# KiCad board hermod-right.kicad_pcb (continued)
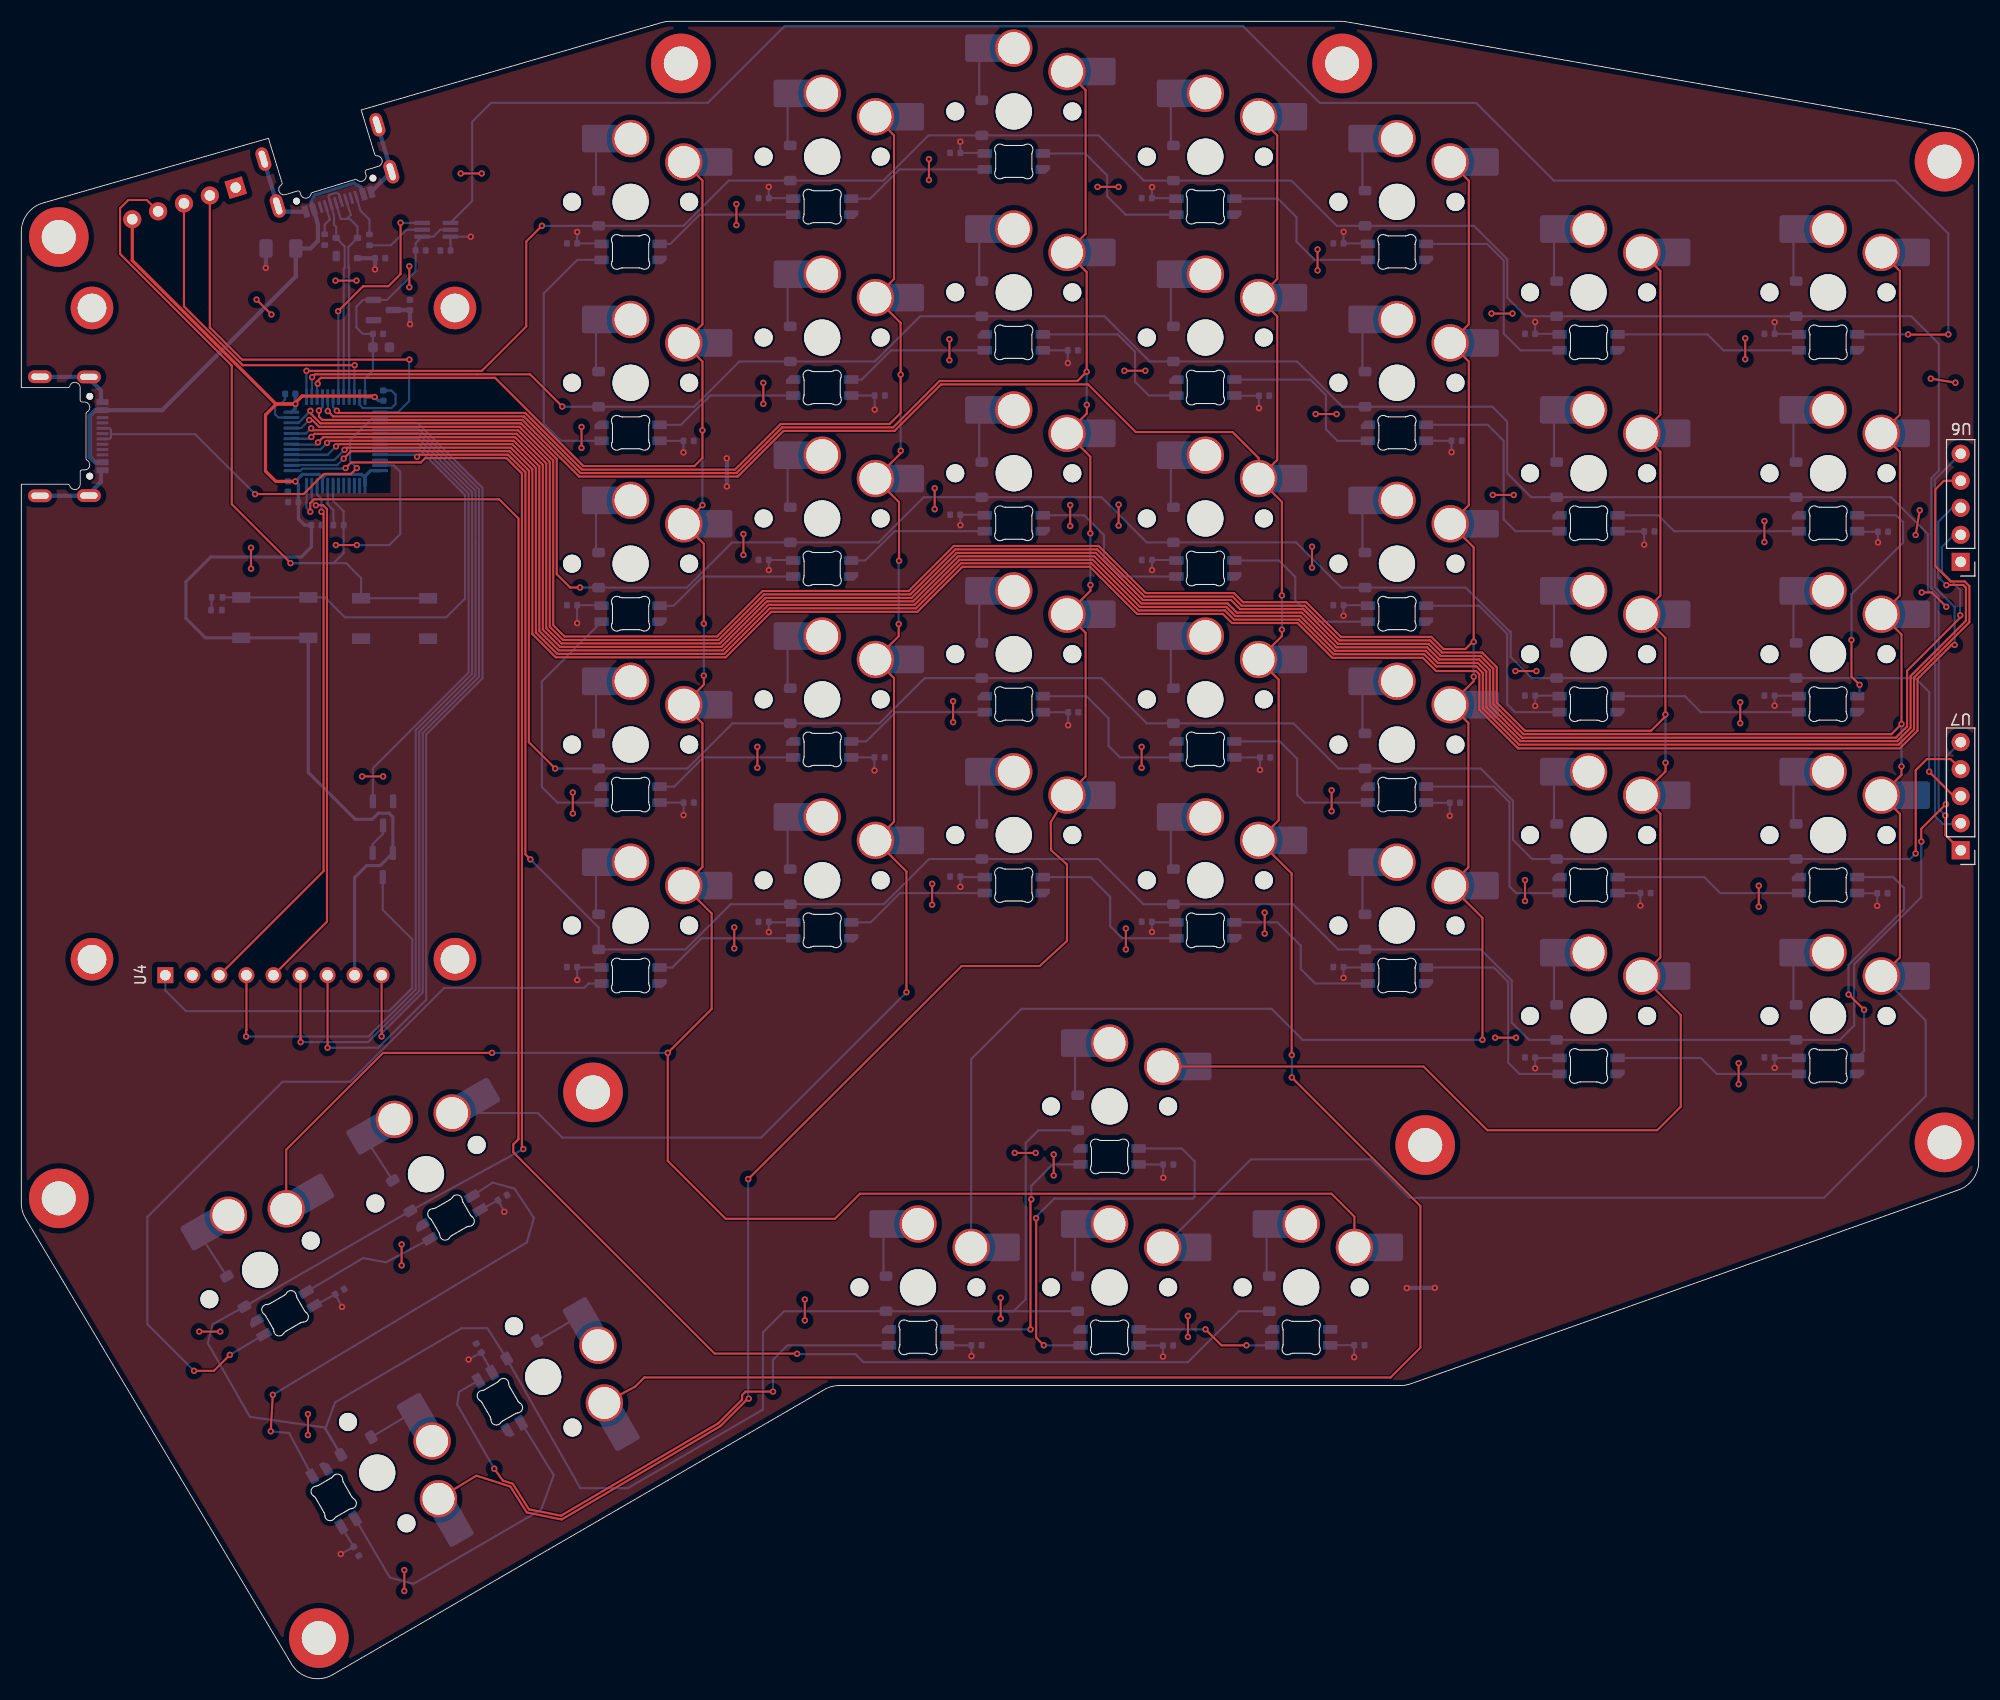
[diagram p0: board, top side]
## Routing (per net, layer and track width the routed paths; a pad name or vN(x,y) marks a point on that pad's centre or on a via; arc(x,y) is an arc through that point) (continued)
Net-(LED29-DIN): length 13.7
  Bottom w0.2: LED29.3 61.15,66.83 63.9,69.58 72.52,69.58
Net-(LED30-DIN): length 13.7
  Bottom w0.2: 90.52,73.83 82.55,73.83 79.8,71.08 LED30.3
Net-(LED31-DIN): length 16.5
  Bottom w0.2: 108.52,69.58 103.44,69.58 102.3,70.72 102.3,73.47 100.44,75.33 LED31.3
Net-(LED32-DIN): length 16.2
  Bottom w0.2: LED32.3 118.01,71.08 120.2,68.89 120.2,66.69 121.56,65.33 126.52,65.33
Net-(LED33-DIN): length 21.1
  Bottom w0.2: 144.52,56.83 140.75,56.83 139.7,57.89 139.7,65.49 138.35,66.83 LED33.3
Net-(LED34-DIN): length 17.7
  Bottom w0.2: LED34.3 157.79,58.33 159.29,56.83 167.02,56.83
Net-(LED36-DOUT): length 13.1
  Bottom w0.2: LED36.2 32.11,39.53 34.25,39.13 LED37.3
Net-(LED37-DOUT): length 47.7
  Top w0.2: v1(23.63,26.68) v1(23.43,23.25)
  Bottom w0.2: v1(23.63,26.68) 47.49,41 48.16,43.3 46.34,46.05 44.27,46.62 LED37.2 ; LED38.3 25.16,23.09 v1(23.43,23.25)
Net-(LED38-DOUT): length 31.8
  Bottom w0.2: LED39.3 50.02,19.12 48.84,15.89 36.85,8.92 34.63,9.5 LED38.2
Net-(LED39-DOUT): length 56.8
  Top w0.2: v1(70.62,26.98) 68.04,26.98 67.71,26.64 67.72,26.24 65.49,24.01 50.7,15.32 47.69,15.92 46.18,18.32 45.24,18.63 v1(44.43,19.74)
  Bottom w0.2: v1(44.43,19.74) 40.94,25.78 41.13,26.96 LED39.2 ; 81.52,31.33 71.98,31.33 70.62,29.97 v1(70.62,26.98)
Net-(LED40-DOUT): length 26.8
  Top w0.2: v1(94.82,32.83) 94.81,32.84 94.81,44.97 v1(94.89,45.05)
  Bottom w0.2: v1(94.89,45.05) 94.89,46.33 96.89,48.33 99.52,48.33 ; v1(94.82,32.83) LED40.2
Net-(LED41-DOUT): length 40.6
  Top w0.2: v1(96.06,31.33) 95.35,32.04 95.35,43.27 v1(95.34,43.28)
  Bottom w0.2: LED41.2 109.02,49.83 110.23,48.62 110.23,45.29 110.05,45.11 97.03,45.11 95.34,43.42 v1(95.34,43.28) ; v1(96.06,31.33) 99.52,31.33
Net-(LED42-DOUT): length 13.2
  Top w0.2: v1(111.25,32.83) 112.75,31.33 v1(115.1,31.33)
  Bottom w0.2: v1(111.25,32.83) LED42.2 ; 117.52,31.33 v1(115.1,31.33)
Net-(Q1-G): length 3
  Bottom w0.2: Q1.1 33.01,78.43 33.98,79.4 Q2.3
Net-(R3-Pad2): length 1.2
  Bottom w0.2: R3.2 17.88,100.47 R4.1

## Copper pours and planes (outline as drawn; the poured copper is in the pictures)
+5V on Top: 197.27,160.84 100.53,166.42 -19.39,146.65 -19.18,-2.99 192.95,4.63 200.7,83.72
GND on Bottom: 197.22,158.37 103.08,168.42 -9.82,149.36 -15.52,-4.13 192.71,4.29 197.94,115.75

## Text on the board
B.Silkscreen: Designed By: / Modern Hobbyist / Charlie Steenhagen
